# Altium PCB WOLFMAN_16ch.PcbDoc (part 1 of 2)
Units mm, origin at the board's own origin, x right, y up, seen from the top; angles counter-clockwise.
Board outline 40.9 x 21.1 mm, 4 copper layers (Top Layer, Signal Layer 1, Signal Layer 2, Bottom Layer), stack 0.778 mm thick; 165 components, 160 nets, 676 pads, 121 vias.
Unrouted connection lines stored in the file: 103.
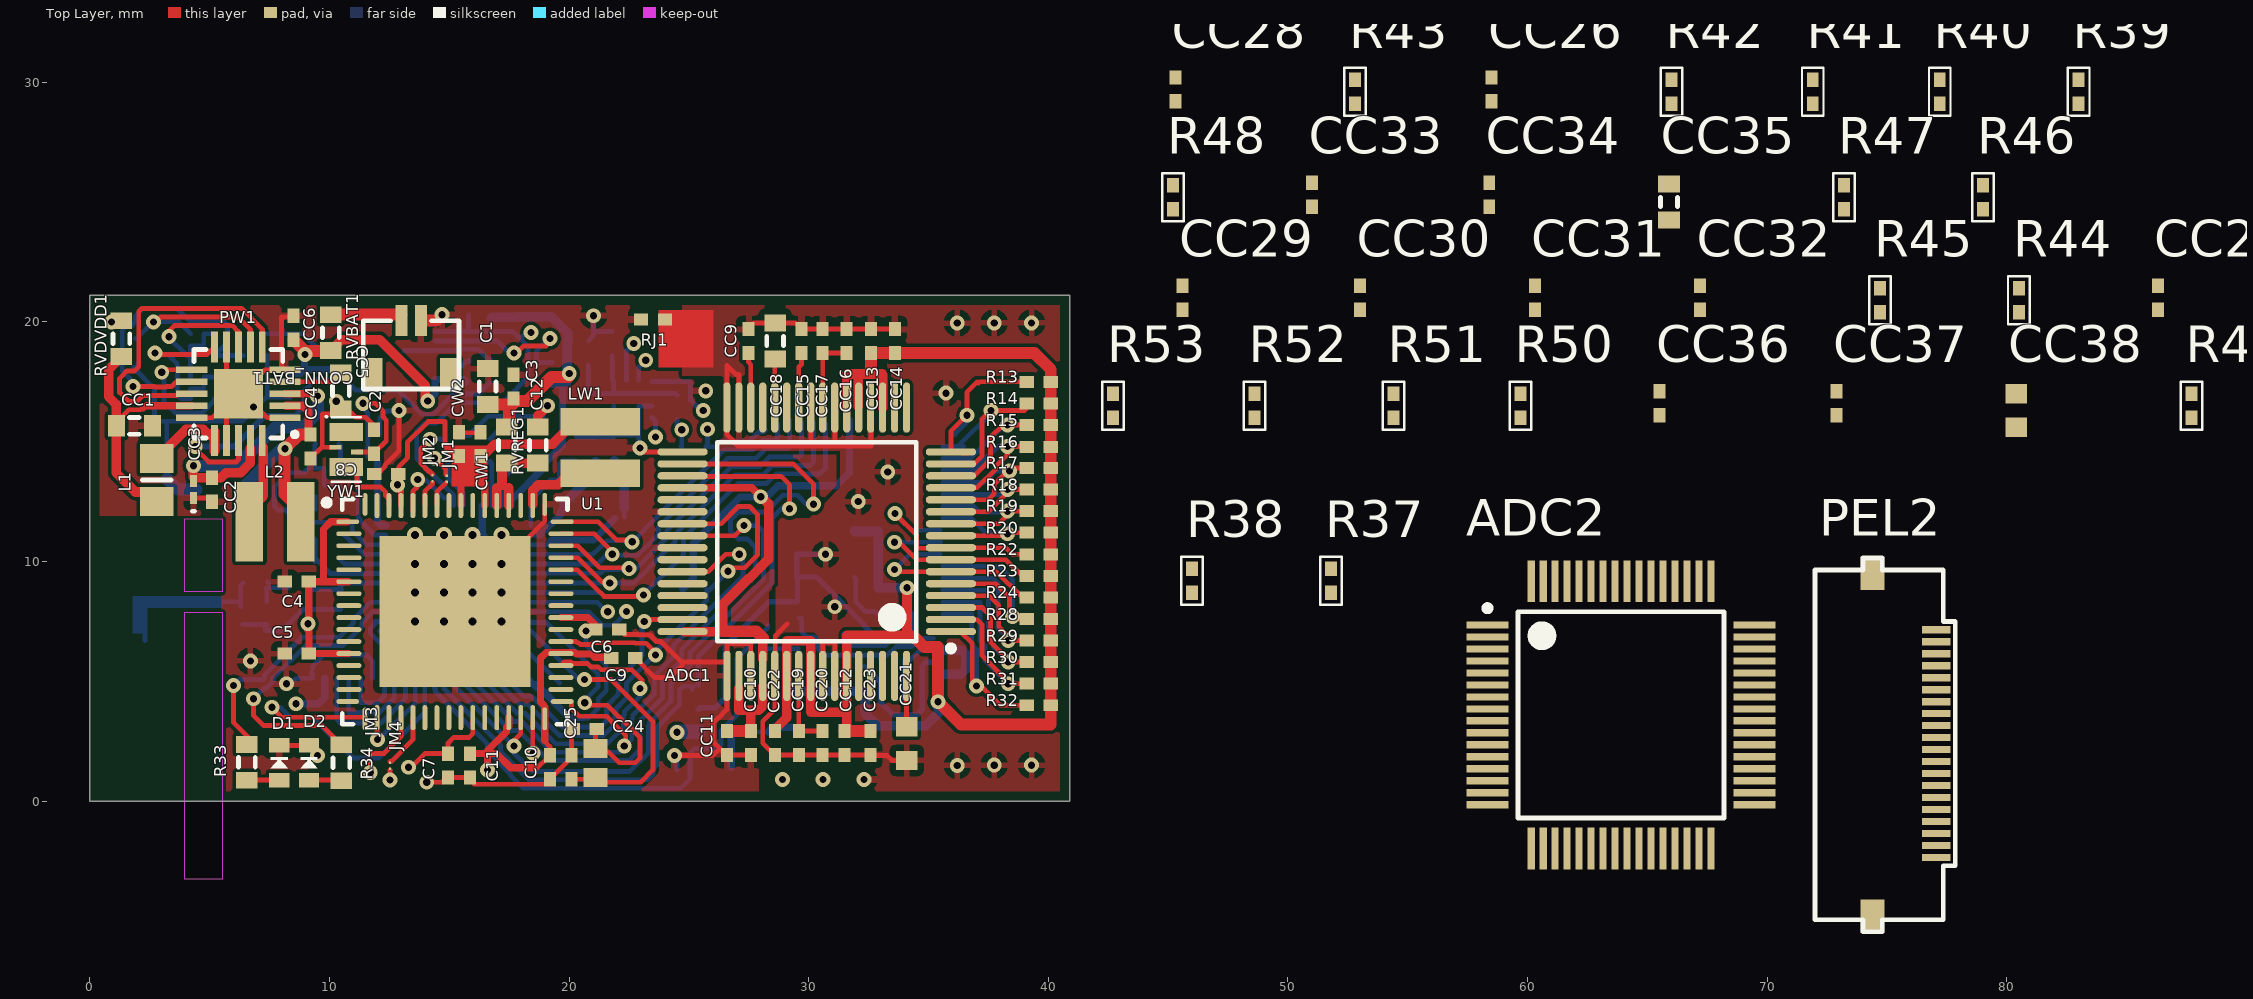
[diagram p0: Top Layer view]
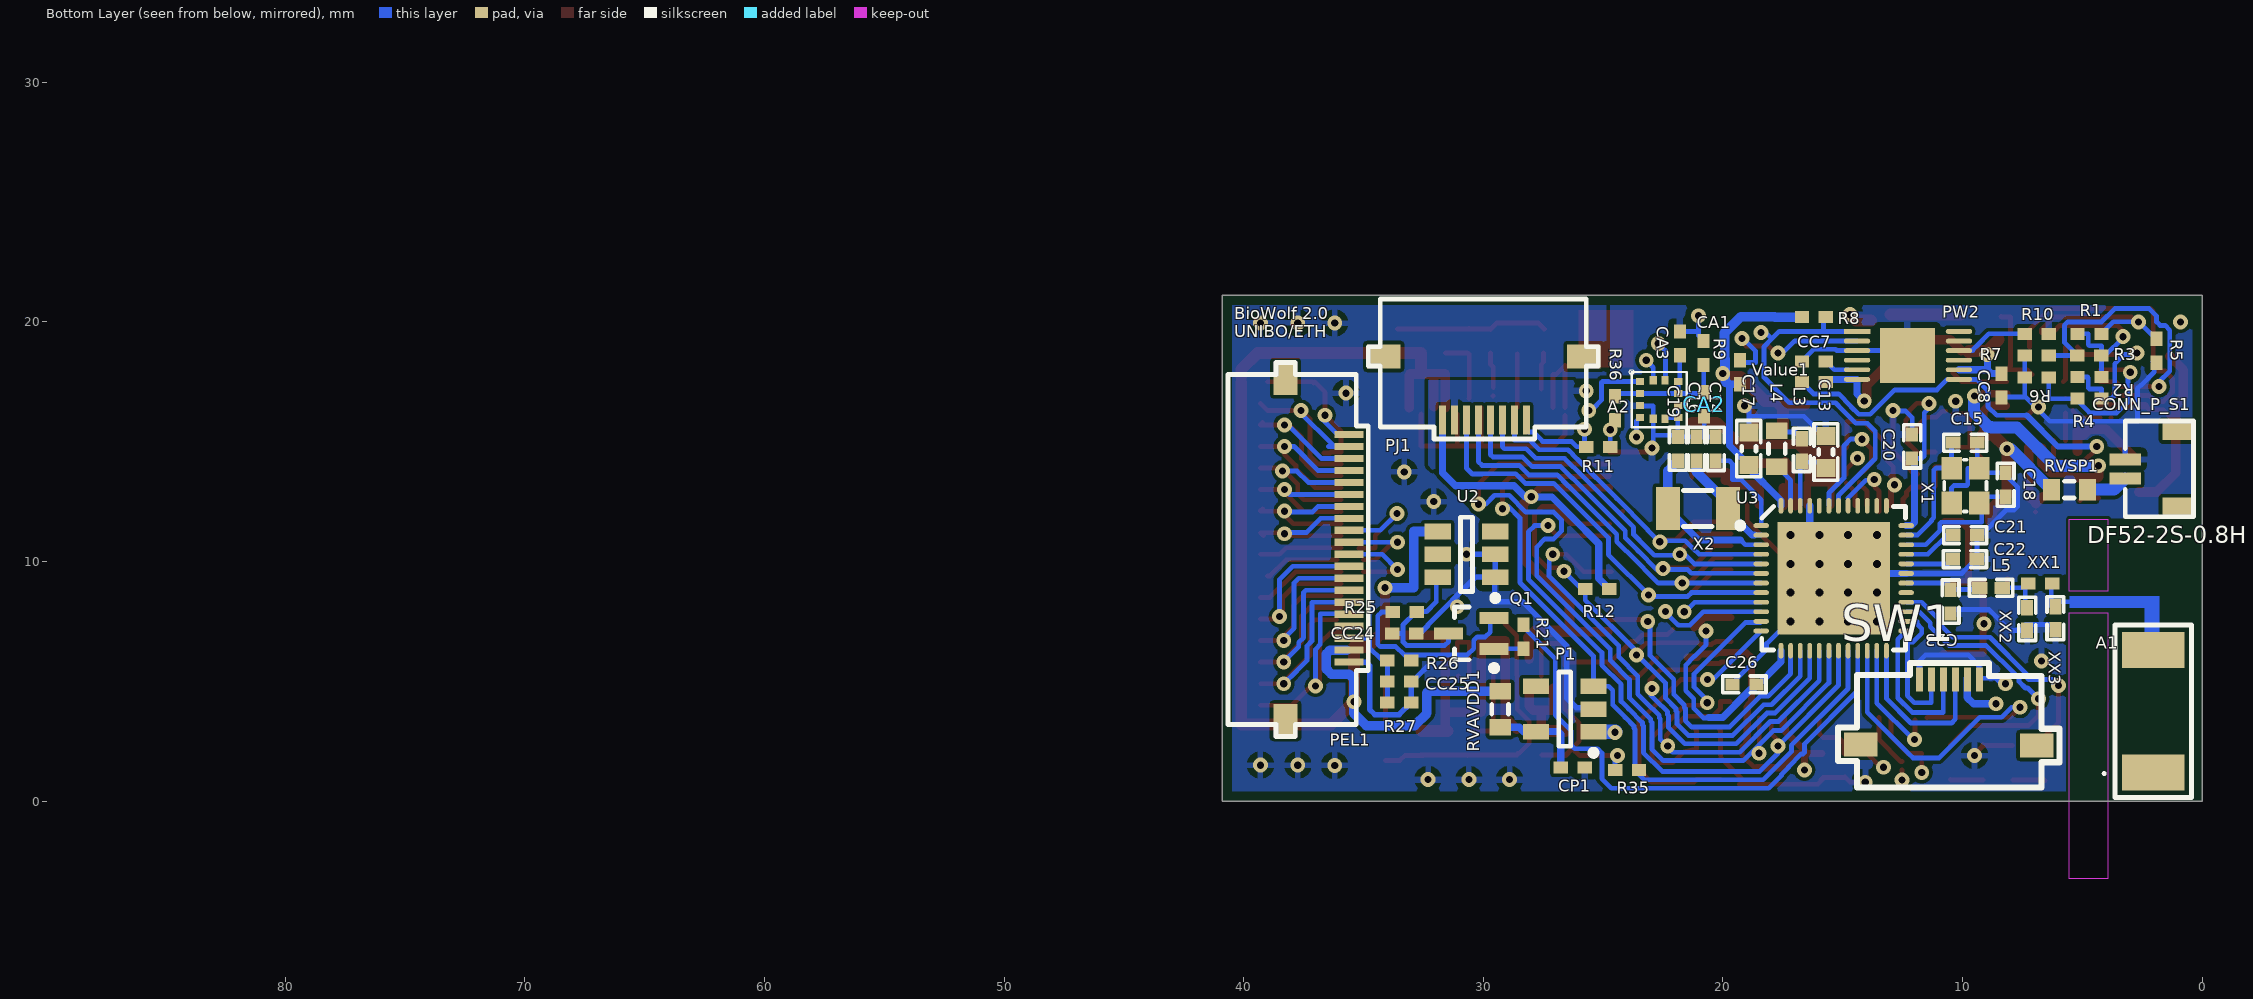
[diagram p1: Bottom Layer view, seen from below]
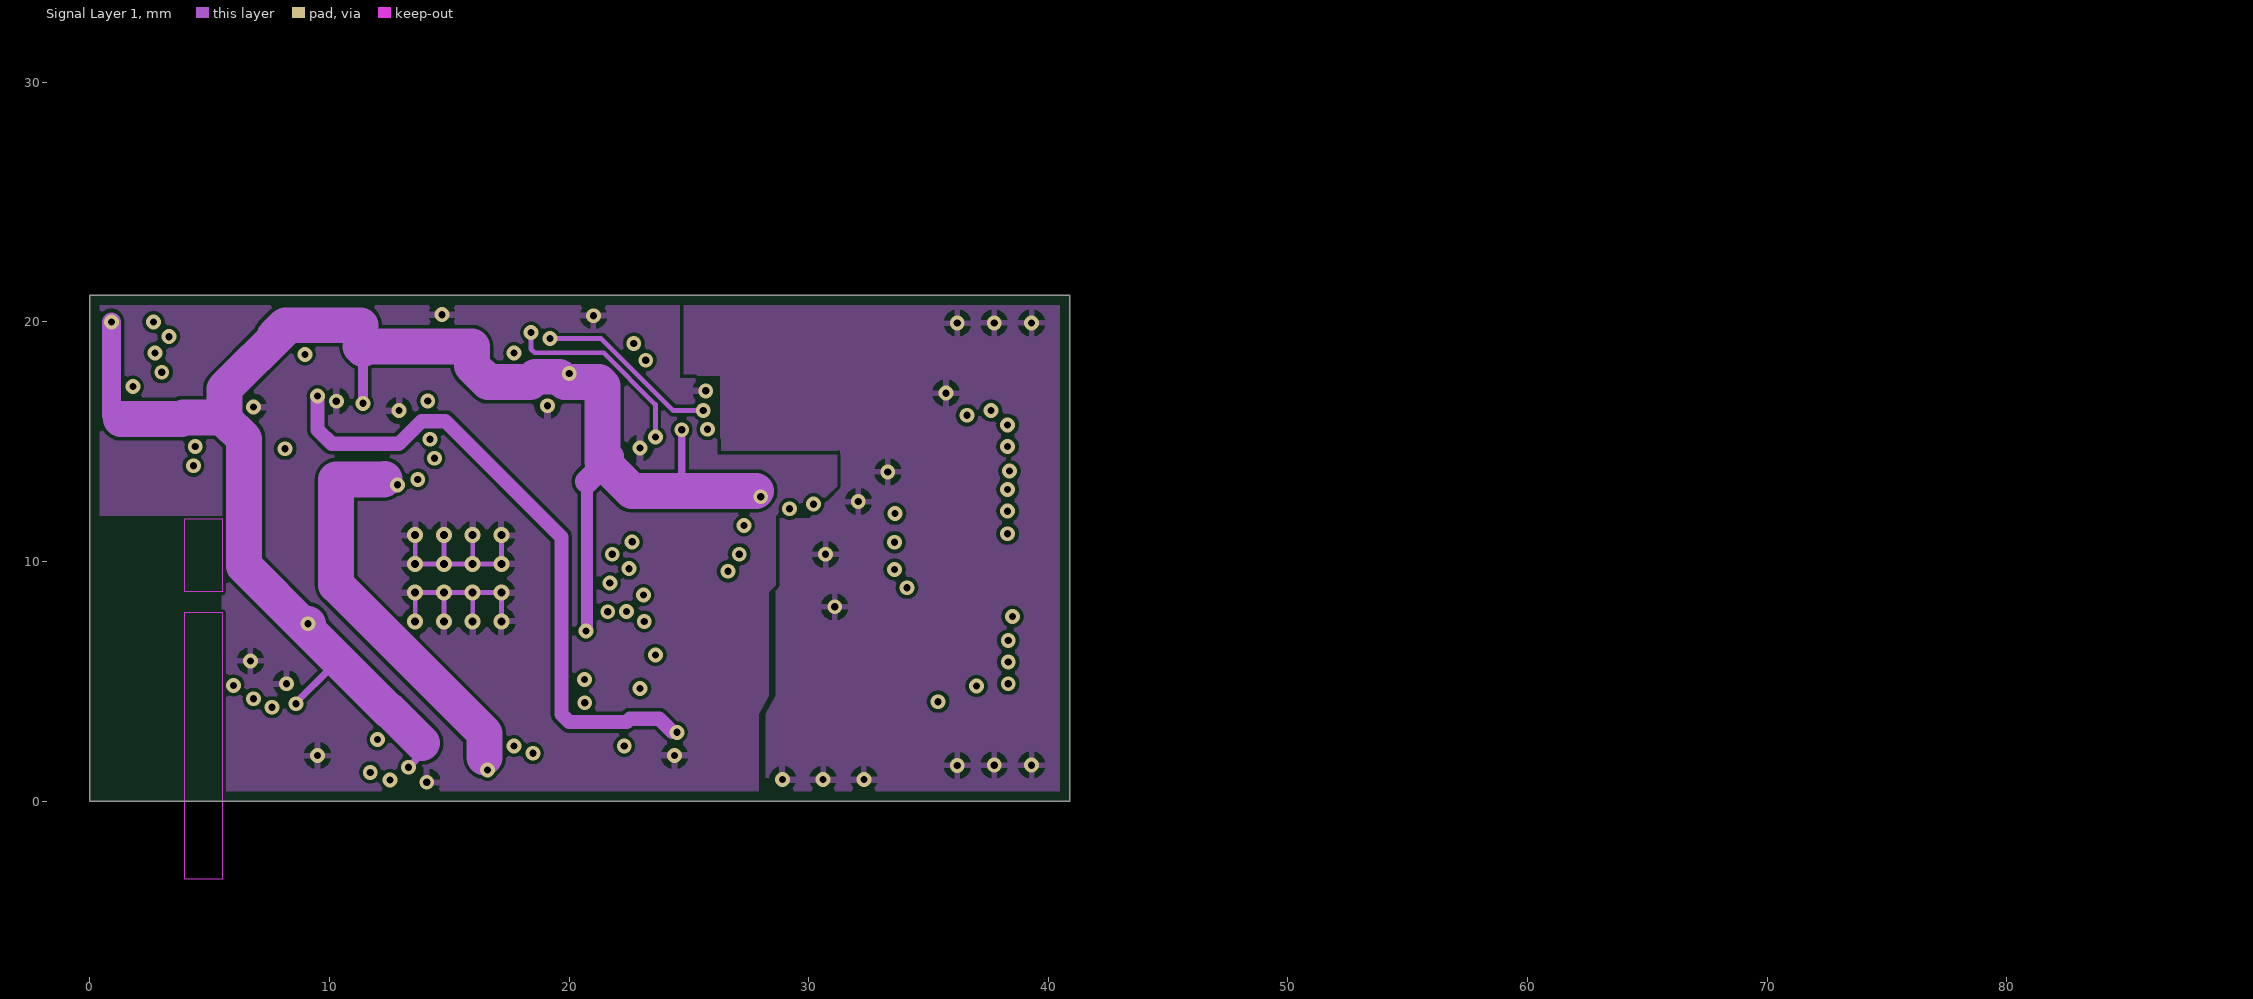
[diagram p2: Signal Layer 1]
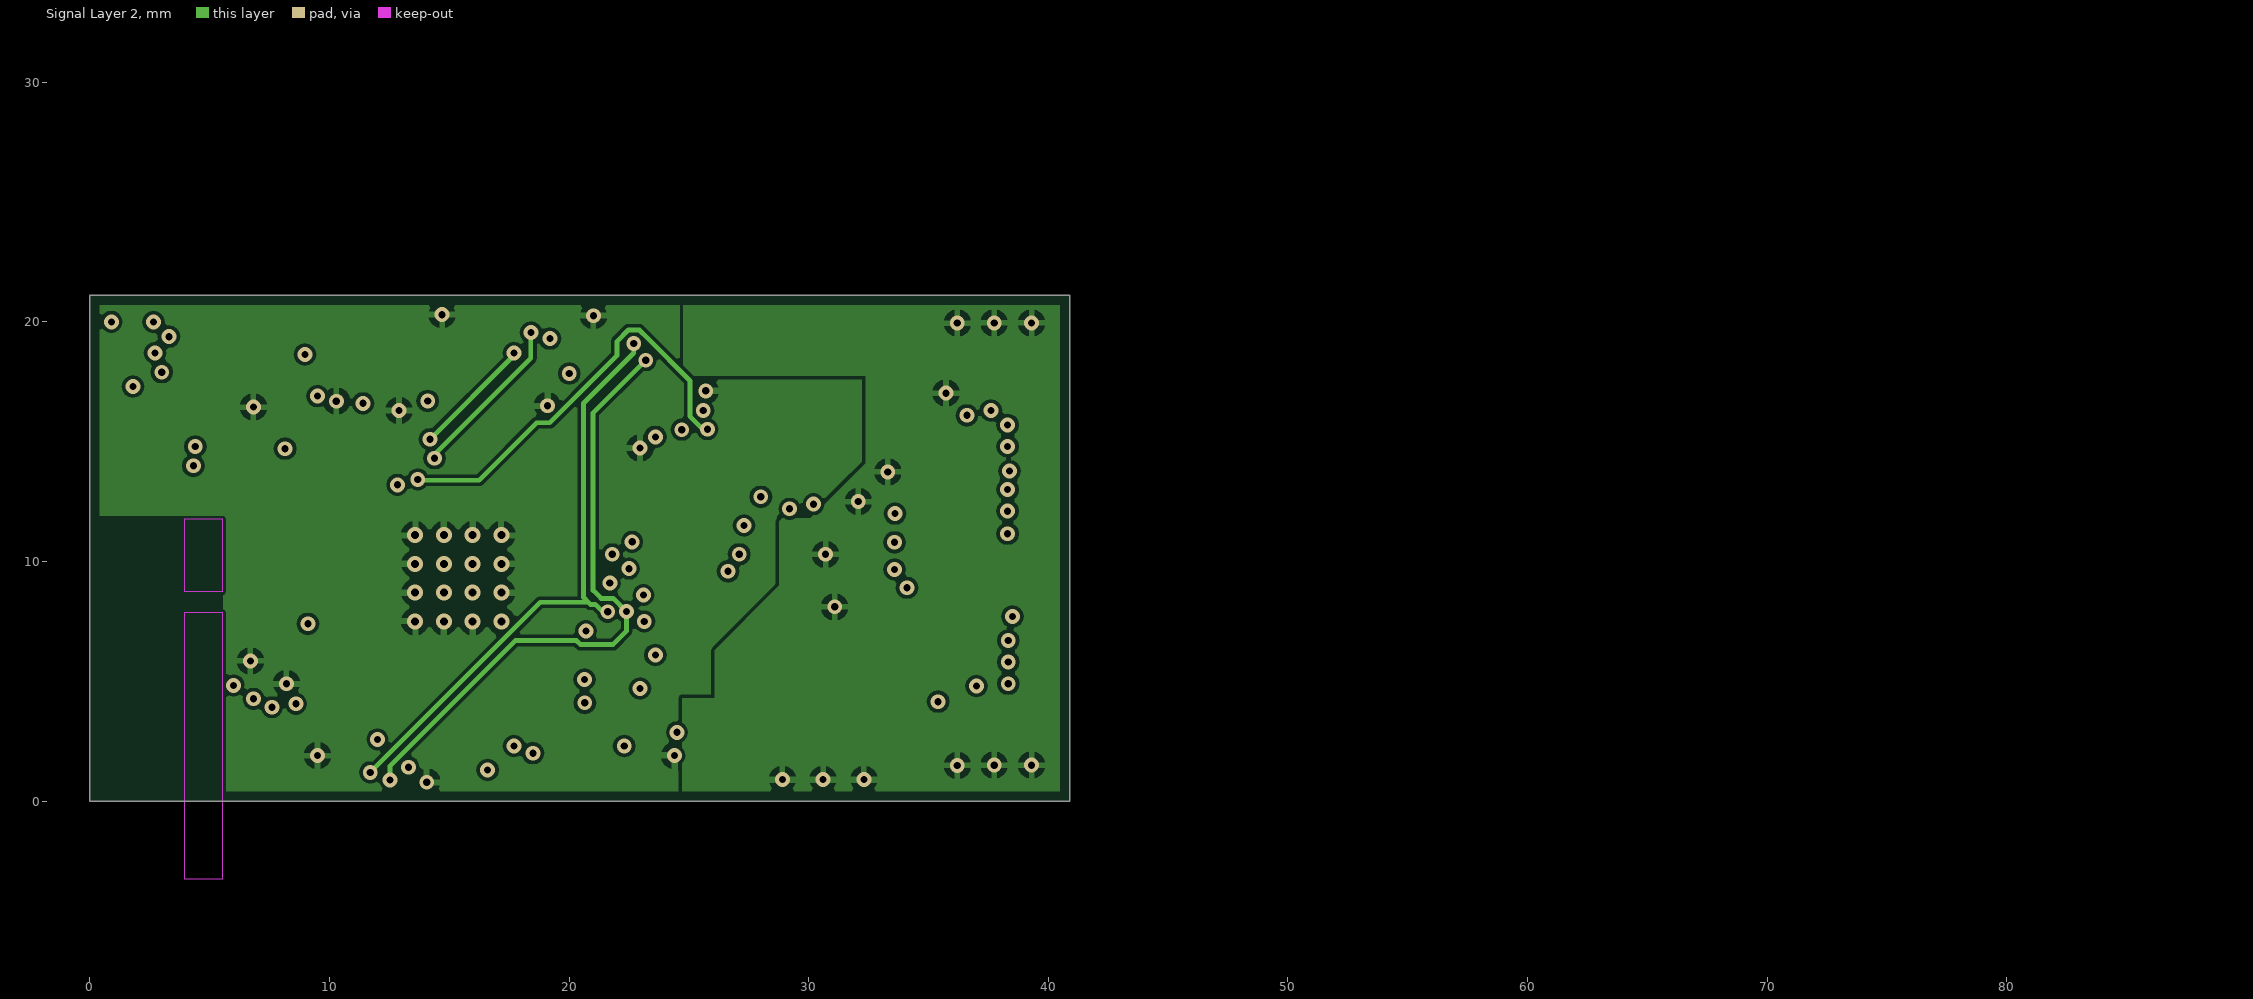
[diagram p3: Signal Layer 2]

## Layer stack, top to bottom
Top Solder: solder mask 0.0102, Solder Resist, Dk 3.5
Top Layer: signal copper 0.0356
Dielectric 1: core 0.254, FR-4, Dk 4.2
Signal Layer 1: signal copper 0.036
Dielectric 3: prepreg 0.127, Dk 4.2
Signal Layer 2: signal copper 0.036
Dielectric 2: core 0.254, Dk 4.2
Bottom Layer: signal copper 0.0356
Bottom Solder: solder mask 0.0102, Solder Resist, Dk 3.5

## Board outline
0,21.1 0,0 40.9,0 40.9,21.1

## Design rules (kind name [scope] priority, off if disabled: settings)
Clearance [All] p1: gap=0.15
PolygonConnect [All] p1: connectstyle=Relief reliefconductorwidth=0.254 reliefentries=4 polygonreliefangle="90 Angle" airgapwidth=0.254
RoutingVias [All] p1: holewidth=0.3 width=0.62 viastyle="Through Hole" minholewidth=0.3 minwidth=0.62 maxholewidth=0.3 maxwidth=0.62
SolderMaskExpansion [All] p1: expansion=0.102
UnpouredPolygon [All] p1: allowunpoured=FALSE
Width [All] p1: maxlimit=25 minlimit=0.2 preferedwidth=0.2 toplayer_maxwidth=2.5 midlayer1_maxwidth=2.5 midlayer2_maxwidth=2.5 minimp=50.000000 maximp=50.000000 favimp=50.000000
29 further rules are at their usual default settings.

## Classes and differential pairs
component class 04_ANALOG_2: ADC2 CC26 CC27 CC28 CC29 CC30 CC31 CC32 CC33 CC34 CC35 CC36 CC37 CC38 PEL2 R12 R38 R39 R40 R41 R42 R43 R44 R45 R46 R47 R48 R49 R50 R51 R52 R53
component class 06_SENSORS: A2 CA1 CA2 CA3 R36
component class 02_NRF52832: A1 C3 C5 C13 C14 C15 C16 C17 C18 C19 C20 C21 C22 C23 C25 D1 D2 L3 L4 L5 L6 R7 R34 R35 SW1 U3 X1 X2 XX1 XX2 XX3
component class 01_MRWOLF: C1 C2 C3 C5 C6 C7 C8 C9 C10 C11 C12 C24 C25 C26 C27 C28 C29 C30 C32 CW1 CW2 JM1 JM2 JM3 JM4 LW1 PJ1 R11 RVREG1 U1 YW1
component class 05_POWER: CC1 CC4 CC5 CC6 CC7 CC8 CC15 CC18 CC25 CC? CONN_BAT1 CONN_P_S1 CP1 L1 L2 P1 PW1 PW2 R1 R3 R5 R6 R7 R9 R10 R11 R12 R14 R15 R27 R? RVAVDD1 RVBAT1 RVDVDD1 RVSP1 Value1
component class 03_ANALOG: ADC1 CC2 CC3 CC4 CC5 CC9 CC10 CC11 CC12 CC13 CC14 CC15 CC16 CC17 CC18 CC19 CC21 CC22 PEL1 Q1 R3 R6 R10 R12 R14 R15 R16 R17 R18 R19 R21 R22 R23 R24 R25 R26 R27 R28 R29 R31 R32 RJ1 U2

## Components (designator, comment, footprint, x,y, rotation, side; value= is the part's Value field where it differs from the comment)
A1 "FR05-S1-N-0-102" DFN510P700X220-2N 2.04,3.725 r90 bottom
A2 "IIS2DH" *LGA12R50P4X4_200X200X86 22.66,16.757 r180 bottom
ADC1 "ADS1298IPAG" LQFP64_M 30.334,10.824 r180 top
ADC2 "ADS1298" "S-PQFP - G64 - ADS1298" 63.899,3.6 r0 top
C1 "NC" J1-0603 16.6,17.3 r270 top
C2 "100nF" 0402 11.865,15 r270 top
C3 "100nF" 0402 17.675,17.3 r270 top
C4 "100nF" 0402 8.632,9.157 r0 top
C5 "100nF" 0402 8.632,6.157 r0 top
C6 "100nF" 0402 21.6,7.157 r180 top
C7 "100nF" 0402 14.95,1.483 r90 top
C8 "100nF" 0402 12.365,13.65 r0 top
C9 "100nF" 0402 22.261,5.979 r180 top
C10 "100nF" 0402 19.2,1.41 r90 top
C11 "100nF" 0402 15.867,1.483 r90 top
C12 "NC" J1-0603 18.7,14.857 r270 top
C13 "1.0µF" CAPC1608X06L 15.7,14.568 r270 bottom
C14 "100nF" CAPC1005X04L 20.3,14.7 r90 bottom
C15 "12pF" CAPC1005X04L 9.889,14.957 r180 bottom
C16 "12pF" CAPC1005X04L 21.1,14.707 r90 bottom
C17 "4.7µF" CAPC1608X06L 18.915,14.707 r90 bottom
C18 "12pF" CAPC1005X04L 8.2,13.2 r90 bottom
C19 "12pF" CAPC1005X04L 21.88,14.707 r90 bottom
C20 "100nF" CAPC1005X04L 12.1,14.8 r90 bottom
C21 "100pF" CAPC1005X04L 9.889,11.1 r180 bottom
C22 "N.C." CAPC1005X04L 9.9,10.1 r0 bottom
C23 "0.8pF" CAPC1005X04L 10.5,8.328 r90 bottom
C24 "12pF" 0402 20.654,3 r0 top
C25 "12pF" 0402 20.094,1.41 r270 top
C26 "100nF" CAPC1005X04L 19.1,4.872 r0 bottom
CA1 "100nF" 0402 20.8,18.7 r270 bottom
CA2 "10uF" 0402 20.782,16.556 r90 bottom
CA3 "100nF" 0402 21.8,19.1 r270 bottom
CC1 "22uF" J1-0603 1.86,15.66 r180 top
CC2 "4.7uF" 0402 5.1,13 r90 top
CC3 "100nF" 0603 4.32,13 r90 top
CC4 "4.7uF" 0402 9.2,14.8 r90 top
CC5 "10nF" J1-0603 10.475,17.122 r90 top
CC6 "10uF" 0402 8.5,19.76 r270 top
CC7 "0.47UF" 0402 16.2,18.355 r180 bottom
CC8 "1UF" 0402 8.364,17.342 r90 bottom
CC9 "Cap Semi" 0402 27.49,19.2 r270 top
CC10 "100nF" 0402 27.584,2.426 r90 top
CC11 "1uF" 0402 26.584,2.426 r90 top
CC12 "Cap Semi" 0402 31.5,2.426 r90 top
CC13 "Cap Semi" 0402 32.6,19.2 r270 top
CC14 "Cap Semi" 0402 33.6,19.2 r270 top
CC15 "Cap Semi" 0402 29.7,19.2 r270 top
CC16 "Cap Semi" 0402 31.584,19.2 r270 top
CC17 "Cap Semi" 0402 30.584,19.2 r270 top
CC18 "Cap Semi" J1-0603 28.6,19.2 r270 top
CC19 "Cap Semi" 0402 29.584,2.426 r90 top
CC20 "Cap Semi" 0402 30.584,2.426 r90 top
CC21 "Cap Semi" 1608[0603] 34.084,2.4 r90 top
CC22 "100nF" 0402 28.584,2.426 r90 top
CC23 "10uF" 0402 32.584,2.426 r90 top
CC24 "100nF" 0402 33.3,6.998 r0 bottom
CC25 "100nF" 0402 33.5,5 r0 bottom
CC26 "Cap Semi" 0402 58.5,29.7 r90 top
CC27 "100nF" 0402 86.3,21 r90 top
CC28 "1uF" 0402 45.3,29.7 r90 top
CC29 "Cap Semi" 0402 45.6,21 r90 top
CC30 "Cap Semi" 0402 53,21 r90 top
CC31 "Cap Semi" 0402 60.3,21 r90 top
CC32 "Cap Semi" 0402 67.2,21 r90 top
CC33 "Cap Semi" 0402 51,25.3 r90 top
CC34 "Cap Semi" 0402 58.4,25.3 r90 top
CC35 "Cap Semi" J1-0603 65.9,25 r90 top
CC36 "Cap Semi" 0402 65.5,16.6 r90 top
CC37 "Cap Semi" 0402 72.9,16.6 r90 top
CC38 "Cap Semi" 1608[0603] 80.4,16.3 r90 top
CONN_BAT1 "DF52-2S-0.8H(21)" DF52-2S-0.8H(21) 13.41,18.3 r0 top
CONN_P_S1 "DF52-2S-0.8H(21)" DF52-2S-0.8H(21) 1.46,13.864 r90 bottom
CP1 "1uF" 0402 26.27,1.41 r0 bottom
CW1 "4.7uF" 0402 16.3,14.9 r270 top
CW2 "100nF" 0402 15.4,14.9 r270 top
D1 "LED Red" DIOC1608X08L 7.9,1.6 r90 top
D2 "LED Orange" DIOC1608X08L 9.146,1.6 r90 top
JM1 "uJumper" UJMPR -16.411,32.874 r180 top
JM2 "uJumper" UJMPR -17.001,32.9 r180 top
JM3 "uJumper" UJMPR -19.6,21.218 r180 top
JM4 "uJumper" UJMPR -18.773,20.9 r180 top
L1 "MLZ2012N100L" 6-0805_N 2.8,13.4 r270 top
L2 "LQH3NPZ220MJRL" 1212_PCK 8.26,20.257 r180 top
L3 "LQW15AN15NJ00D" INDC1005X04L 16.705,14.655 r90 bottom
L4 "L0603B100KDWFT" J1-0603 17.75,14.707 r270 bottom
L5 "3.9nH" INDC1005X04L 8.81,8.897 r180 bottom
LW1 "SRN4026-220M" 1212_PCK 12.7,15.287 r270 top
P1 "ADP122AUJZ_2p7" UJ-5_N 26.6,3.841 r0 bottom
PEL1 "MOLEX_5051102091" MOLEX_5051102091 35.65,10.55 r90 bottom
PEL2 "MOLEX_5051102091" MOLEX_5051102091 76.999,2.4 r90 top
PJ1 "MOLEX_5051100892" MOLEX_5051100892 29.95,17.357 r180 bottom
PW1 "BQ25570RGRT" VQFN20 6.2,17 r90 top
PW2 "BQ27441-G1" DRZ12_SMALL 14.9,19.6 r180 bottom
Q1 "PMSS3906" SOT323_N 30.5,7 r0 bottom
R1 "7M32" 0402 4.7,19.5 r180 bottom
R2 "1M24" 0402 4.7,17.7 r0 bottom
R3 "4M22" 0402 4.706,18.6 r0 bottom
R4 "6M65" 0402 4.7,16.792 r0 bottom
R5 "5M6" 0402 1.9,18.8 r270 bottom
R6 "4M99" 0402 6.9,17.669 r0 bottom
R7 "8M66" 0402 6.9,18.6 r0 bottom
R8 "1M" 0402 16.2,20.2 r180 bottom
R9 "1M" 0402 19.281,17.9 r90 bottom
R10 "10K" 0402 6.9,19.5 r180 bottom
R11 "NC" 0402 25.2,14.784 r180 bottom
R12 "NC" 0402 25.24,8.85 r180 bottom
R13 "4.7K" 0402 39.6,17.5 r180 top
R14 "4.7K" 0402 39.6,16.6 r180 top
R15 "4.7K" 0402 39.6,15.7 r180 top
R16 "4.7K" 0402 39.6,14.787 r180 top
R17 "4.7K" 0402 39.6,13.904 r180 top
R18 "4.7K" 0402 39.6,13 r180 top
R19 "4.7K" 0402 39.6,12.112 r180 top
R20 "4.7K" 0402 39.6,11.2 r180 top
R21 "4.7K" 0402 28.32,6.858 r270 bottom
R22 "4.7K" 0402 39.6,10.3 r180 top
R23 "4.7K" 0402 39.6,9.4 r180 top
R24 "4.7K" 0402 39.6,8.497 r180 top
R25 "4.7K" 0402 33.282,7.888 r0 bottom
R26 "4.7K" 0402 33.5,5.865 r0 bottom
R27 "22K" 0402 33.5,4.118 r0 bottom
R28 "4.7K" 0402 39.6,7.6 r180 top
R29 "4.7K" 0402 39.6,6.7 r180 top
R30 "4.7K" 0402 39.6,5.8 r180 top
R31 "4.7K" 0402 39.6,4.9 r180 top
R32 "4.7K" 0402 39.6,4 r180 top
R33 "" J1-0603 6.55,1.618 r90 top
R34 "" J1-0603 10.5,1.6 r90 top
R35 "100K" 0402 24,1.3 r0 bottom
R36 "Res3" 0402 24.509,16.4 r90 bottom
R37 "NC" 0402 51.799,9.2 r90 top
R38 "4.7K" 0402 45.999,9.2 r90 top
R39 "4.7K" 0402 83,29.6 r90 top
R40 "4.7K" 0402 77.2,29.6 r90 top
R41 "4.7K" 0402 71.9,29.6 r90 top
R42 "4.7K" 0402 66,29.6 r90 top
R43 "4.7K" 0402 52.8,29.6 r90 top
R44 "4.7K" 0402 80.5,20.9 r90 top
R45 "4.7K" 0402 74.7,20.9 r90 top
R46 "4.7K" 0402 79,25.2 r90 top
R47 "4.7K" 0402 73.2,25.2 r90 top
R48 "4.7K" 0402 45.2,25.2 r90 top
R49 "4.7K" 0402 87.7,16.5 r90 top
R50 "4.7K" 0402 59.7,16.5 r90 top
R51 "4.7K" 0402 54.4,16.5 r90 top
R52 "4.7K" 0402 48.6,16.5 r90 top
R53 "4.7K" 0402 42.7,16.5 r90 top
RJ1 "0R" 0402 23.5,20.1 r0 top
RVAVDD1 "1" J1-0603 29.3,3.833 r90 bottom
RVBAT1 "1" J1-0603 10.053,19.55 r270 top
RVDVDD1 "1" J1-0603 1.311,19.3 r90 top
RVREG1 "" J1-0603 17.4,14.857 r90 top
RVSP1 "1" J1-0603 5.54,13 r0 bottom
SW1 "MOLEX_5051100692" MOLEX_5051100692 12.545,2.27 r0 bottom
U1 "Mr. Wolf PULP" QFN50P900X900X100_HS_NOVIAS_65M 15.233,7.907 r0 top
U2 "LT1790-2p048" SOT-23_A_N 30.7,10.3 r0 bottom
U3 "nRF52832-QFAA" QFN40P600X600X90-48N 15.375,9.3 r180 bottom
Value1 "0.01" 0402 16.2,17.493 r0 bottom (schematic designator =Value1)
X1 "FA-128 32.0000MF10Z-AJ3-ND" BT-XTAL_2016 9.882,13.165 r90 bottom
X2 "ABS07AIG-32.768kHz-9-1-T" XTAL_3215 21.046,12.208 r0 bottom
XX1 "0" 0402 6.75,9.083 r180 bottom
XX2 "NC" INDC1005X04L 7.3,7.6 r270 bottom
XX3 "NC" INDC1005X04L 6.122,7.633 r270 bottom
YW1 "SIT1533AC-H5-DCC-32.768E" SiT1533-C 10.7,14.67 r270 top
